# Altium PCB Mixed_Signal_Board_PCB.PcbDoc (part 2 of 4) (continued)
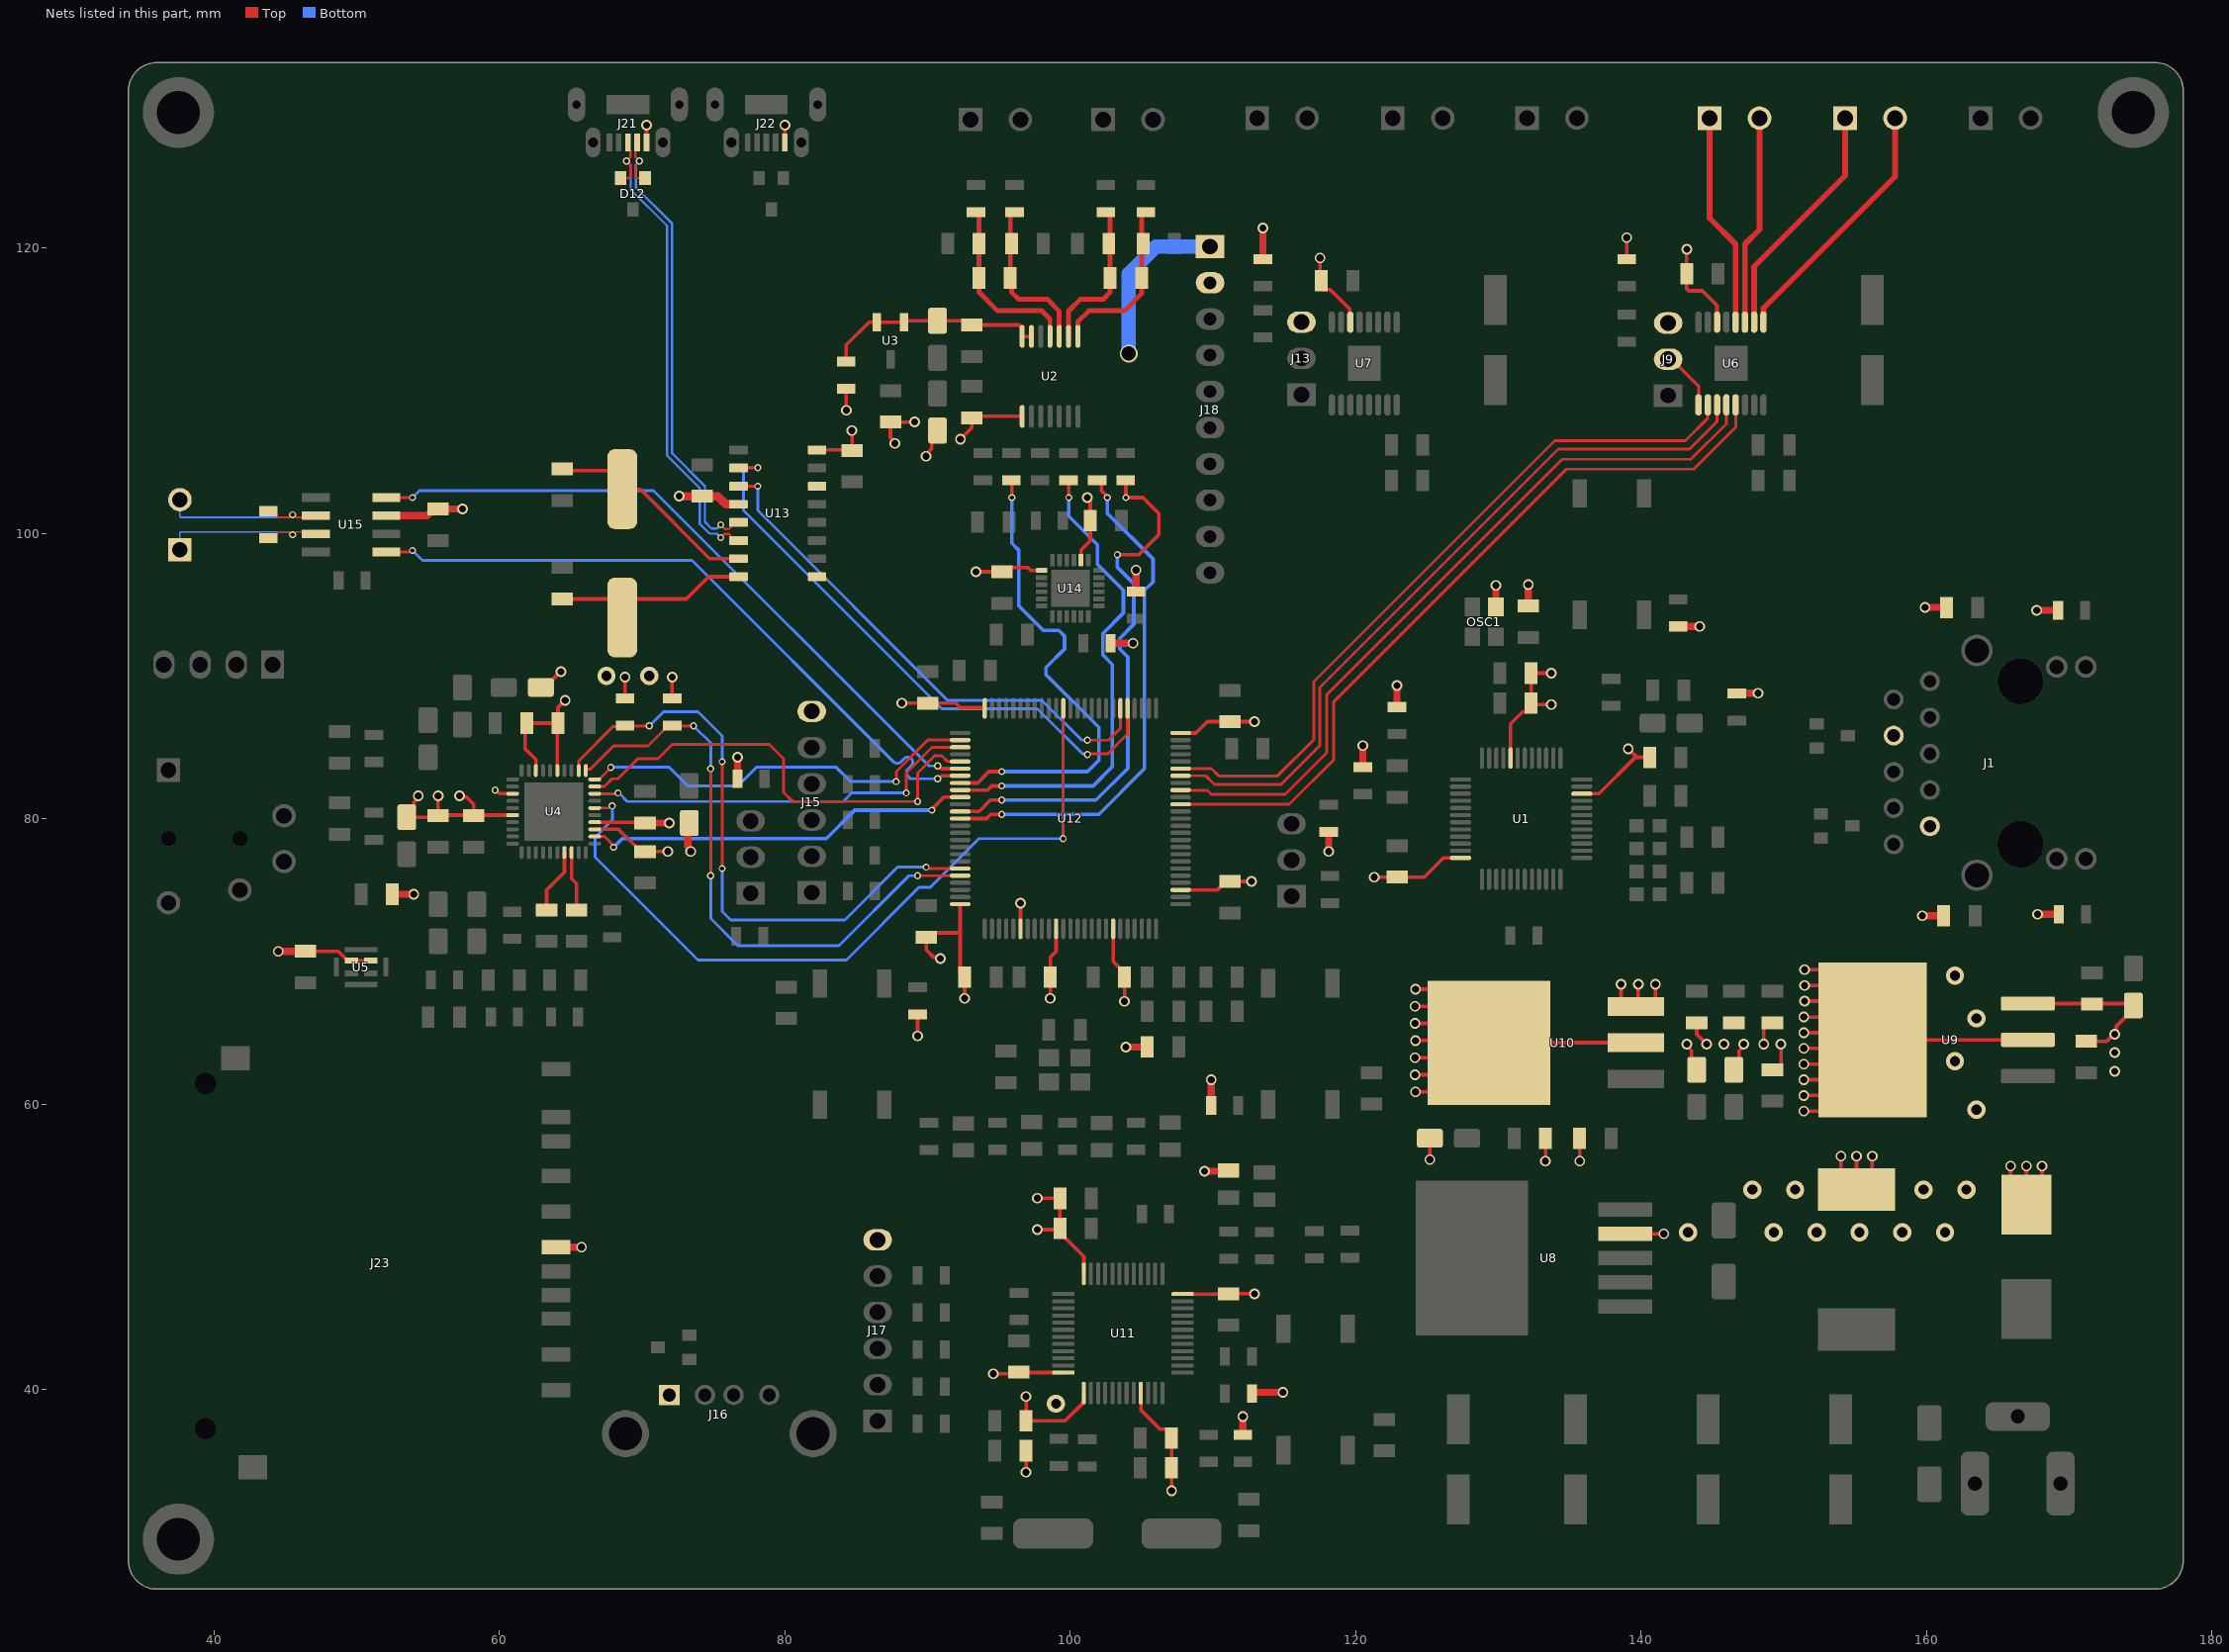
[diagram p4: the nets of this part, all layers, seen from the top]
## Part data (continued)
J15 J17: "PH Series 6 Position Through Hole Single Row Straight .100 Header", Manufacturer="Adam Equipment", Manufacturer Part Number=PH1-06-UA, Supplier Part Number 1=2057-PH1-06-UA-ND, Category=Connectors, ComponentLink1Description=http://www.adam-tech.com/catalog/2012/page_312-315.pdf?src-supplier=Future+Electronics, ComponentLink1URL=http://www.adam-tech.com/catalog/2012/page_312-315.pdf?src-supplier=Future+Electronics, Contact Plating=Gold, Lead Free="Lead Free", Mount="Through Hole", Number of Contacts=6, Number of Positions=6, Number of Rows=1, Packaging=Bag, Pitch=2.54mm, Pricing 1="1=0,13000, 10=0,10000, 100=0,07370, 500=0,06098, 1000=0,05336, 5000=0,04574, 10000=0,04447 (USD)", RoHS=Yes, Stock 1=1029, Supplier 1=Digi-Key
J16: "USB - A Receptacle Connector 4 Position Through Hole, Right Angle", Package=None, Supplier Part Number 1=ED2989-ND, Availability=Unavailable, MF="{'manufacturer': u'On Shore'}", MP=USB-A1HSW6, Price=None, Supplier 1=Digi-Key
J18: library part "CONN_1x10_2.54m_Female Header", "10 Position Single Row 2.54 mm Pitch Vertical Through Hole Socket Header", Color=Black, Manufacturer=Sullins, Manufacturer Part Number=PPTC101LFBN-RC, Package Quantity=1000, Supplier Part Number 1=S7008-ND, Category=Connectors, ComponentLink1Description=https://media.digikey.com/pdf/Data%20Sheets/Sullins%20PDFs/Female_Headers.100_DS.pdf?src-supplier=Digi-Key, ComponentLink1URL=https://media.digikey.com/pdf/Data%20Sheets/Sullins%20PDFs/Female_Headers.100_DS.pdf?src-supplier=Digi-Key, Connector Type=Header, Contact Material=Bronze, Contact Plating=Tin, Contact Type="Female Socket", Height=8.5mm, Housing Material=Plastic, Lead Free="Lead Free", Length=25.9mm, Mount="Through Hole", Number of Positions=10, Number of Rows=1, Packaging=Bulk, Pitch=0.1inch, Pricing 1="1=0,65000, 10=0,55100, 320=0,45000, 640=0,40500, 960=0,36000, 5120=0,32500 (USD)", RoHS=Yes, RoHS Compliant=Yes, Stock 1=16929, Supplier 1=Digi-Key, Termination=Solder, Width=2.5mm
J21 J22: library part "CONN_RCPT_USB2.0_MICRO B_SMD_R/A", "Conn Micro USB 2.0 Type B F 5 POS 0.65mm Solder RA SMD 5 Terminal 1 Port T/R", Manufacturer="CUI Devices", Manufacturer Part Number=UJ2-MIBH2-4-SMT-TR, Supplier Part Number 1=102-4007-1-ND, Category=Connectors, Pricing 1="1=0,87000, 10=0,73800, 25=0,70800, 50=0,69320, 100=0,66300, 250=0,60272, 500=0,54244 (USD)", RoHS=No, Stock 1=48589, Supplier 1=Digi-Key
J23: "Conn; IC Socket; SD Memory Card; Push/Push; SD Ser.", Package=None, Availability=Unavailable, MF="{'manufacturer': u'Amphenol ICC (Commercial Products)'}", MP=101003136802, Price=None
L1: "INDUCTOR POWER 33UH 12X12MM SMD", Current Rating=5A, DC Resistance (DCR)=65mR, Manufacturer="CORE MASTER", Manufacturer Part Number=SRI1207-330M, Tolerance=20%, Inductance=33uH
OSC1: library part XTAL_OSC_XO_50.0000MHZ_CMOS_SMD, "3.2 X 2.5 X 1.1Mm, 3.3V , 100Ppm -20+70C, Smd Ceramic Oscillator Rohs Compliant: Yes", Case/Package=SMD/SMT, Frequency=50MHz, Frequency Stability=100ppm, Load Capacitance=15pF, Manufacturer=Abracon, Max Operating Temperature=70°C, Max Supply Current=19mA, Min Operating Temperature=-20°C, Operating Supply Voltage=3.3V, Supplier Part Number 1=535-9996-1-ND, Category=Oscillators, ComponentLink1Description=https://datasheet.ciiva.com/865/aseseries-865948.pdf?src-supplier=Digi-Key, ComponentLink1URL=https://datasheet.ciiva.com/865/aseseries-865948.pdf?src-supplier=Digi-Key, ComponentLink2Description=https://datasheet.ciiva.com/865/aseseries-865947.pdf?src-supplier=Digi-Key, ComponentLink2URL=https://datasheet.ciiva.com/865/aseseries-865947.pdf?src-supplier=Digi-Key, ComponentLink3Description=https://datasheet.ciiva.com/865/aseseries-865949.pdf?src-supplier=Digi-Key, ComponentLink3URL=https://datasheet.ciiva.com/865/aseseries-865949.pdf?src-supplier=Digi-Key, ComponentLink4Description=https://datasheet.ciiva.com/3177/aseseries-3177741.pdf?src-supplier=Avnet, ComponentLink4URL=https://datasheet.ciiva.com/3177/aseseries-3177741.pdf?src-supplier=Avnet, ComponentLink5Description=https://datasheet.ciiva.com/16413/aseseries-16413061.pdf?src-supplier=Future+Electronics, ComponentLink5URL=https://datasheet.ciiva.com/16413/aseseries-16413061.pdf?src-supplier=Future+Electronics, Depth=2.5mm, Height=0.047inch, Lead Free="Lead Free", Length=3.2mm, Manufacturer Part Number=ASE-50.000MHZ-ET, Mount="Surface Mount", Number of Pins=4, Packaging="Tape and Reel", Pricing 1="1=1,38000, 10=1,32100, 50=1,29020, 100=1,10590, 500=1,07520 (USD)", Radiation Hardening=No, REACH SVHC="No SVHC", RoHS=Yes, Series=ASE, Stock 1=12937, Supplier 1=Digi-Key, Termination=SMD/SMT, Width=2.5mm
R1 R6 R7 R9 R12: "Res Thick Film 0805 2.2K Ohm 1% 1/8W ±100ppm/°C SMD Paper T/R", Case Code (Metric)=2012, Case Code (Imperial)=0805, Manufacturer=Yageo, Manufacturer Part Number=RC0805FR-132K2L, Max Operating Temperature=155°C, Min Operating Temperature=-55°C, Power Rating=125mW, Resistance=2.2kR, Resistor Type="Thick Film", Supplier Part Number 1=13-RC0805FR-132K2LCT-ND, Temperature Coefficient=100ppm/°C, Tolerance=1%, Voltage Rating=150V, Case/Package=0805, Category="Chip SMD Resistors", ComponentLink1Description=https://datasheet.ciiva.com/12575/rc0805-257173-12575737.pdf?src-supplier=Mouser, ComponentLink1URL=https://datasheet.ciiva.com/12575/rc0805-257173-12575737.pdf?src-supplier=Mouser, Contact Plating=Tin,Matte,Lead, Height=0.5mm, Length=2mm, Packaging="Tape and Reel", Pricing 1="1=0,10000, 10=0,04200, 100=0,01690, 1000=0,00759, 2500=0,00659, 5000=0,00544 (USD)", Radiation Hardening=No, RoHS=Yes, RoHS Compliant=Yes, Series=RC, Stock 1=72435, Supplier 1=Digi-Key, Termination=SMD/SMT, Width=1.25mm
R2 R3 R4 R5: "Res Thick Film 0603 49.9 Ohm 1% 1/10W ±100ppm/°C Molded SMD Paper T/R", Case/Package=Molded, Manufacturer=Vishay, Manufacturer Part Number=CRCW060349R9FKEAC, Max Operating Temperature=155°C, Min Operating Temperature=-55°C, Power Rating=100mW, Resistance=49.9R, Resistor Type="Thick Film", Supplier Part Number 1=541-3955-1-ND, Temperature Coefficient=100ppm/°C, Tolerance=1%, Category="Chip SMD Resistors", ComponentLink1Description=http://www.vishay.com/docs/28773/crcwce3.pdf?src-supplier=Digi-Key, ComponentLink1URL=http://www.vishay.com/docs/28773/crcwce3.pdf?src-supplier=Digi-Key, Contact Plating=Tin, Lead Free="Lead Free", Length=1.55mm, Mount="Surface Mount", Pricing 1="1=0,10000, 10=0,03600, 100=0,01450, 1000=0,00652, 2500=0,00566 (USD)", RoHS=Yes, RoHS Compliant=Yes, Stock 1=639478, Supplier 1=Digi-Key, Termination=Wraparound
R8 R10 R38 R39 R61 R62 R63 R64: "Res Thick Film 0805 330 Ohm 5% 0.125W(1/8W) ±100ppm/C Pad SMD Automotive T/R", Manufacturer="TE Connectivity", Manufacturer Part Number=CRGCQ0805J330R, Resistance=330R, Supplier Part Number 1=A130131CT-ND, Category="Chip SMD Resistors", ComponentLink1Description=https://www.te.com/commerce/DocumentDelivery/DDEController?Action=srchrtrv&amp;DocNm=1773204-3&amp;DocType=DS&amp;DocLang=English&src-supplier=Digi-Key, ComponentLink1URL=https://www.te.com/commerce/DocumentDelivery/DDEController?Action=srchrtrv&amp;DocNm=1773204-3&amp;DocType=DS&amp;DocLang=English&src-supplier=Digi-Key, Pricing 1="1=0,10000, 10=0,04400, 100=0,01780, 1000=0,00798, 2500=0,00693 (USD)", RoHS=Yes, Stock 1=75221, Supplier 1=Digi-Key
R11: "Res Thick Film 0805 4.87K Ohm 1% 1/8W ±100ppm/°C SMD Paper T/R", Case Code (Metric)=2012, Case Code (Imperial)=0805, Manufacturer=Yageo, Manufacturer Part Number=RC0805FR-074K87L, Max Operating Temperature=155°C, Max Power Dissipation=125mW, Min Operating Temperature=-55°C, Resistance=4.87kR, Resistor Type="Thick Film", Supplier Part Number 1=311-4.87KCRCT-ND, Temperature Coefficient=100ppm/°C, Tolerance=1%, Voltage Rating=150V, Case/Package=0805, Category="Chip SMD Resistors", ComponentLink1Description=https://datasheet.ciiva.com/12577/rc0805-12577484.pdf?src-supplier=Mouser, ComponentLink1URL=https://datasheet.ciiva.com/12577/rc0805-12577484.pdf?src-supplier=Mouser, Construction=Rectangular, Contact Plating=Tin,Matte,Lead, Depth=1.25mm, Features="Moisture Resistant", Height=0.5mm, Lead Free="Lead Free", Length=2mm, Military Standard=Not, Number of Terminations=2, Packaging="Tape and Reel", Power Rating=125mW, Pricing 1="1=0,10000, 10=0,04200, 100=0,01690, 1000=0,00759, 2500=0,00659 (USD)", Radiation Hardening=No, RoHS=Yes, RoHS Compliant=Yes, Series=RC, Size Code=0805, Stock 1=89972, Supplier 1=Digi-Key, Termination=SMD/SMT, Voltage Rating (DC)=150V, Weight=0.000194oz, Width=1.25mm
R13 R14 R21 R22: "Res Thick Film 0805 301 Ohm 1% 1/8W ±100ppm/°C Molded SMD SMD Paper T/R", Case/Package=0805, Manufacturer=Yageo, Manufacturer Part Number=RC0805FR-10301RL, Max Operating Temperature=155°C, Min Operating Temperature=-55°C, Resistance=301R, Resistor Type="Thick Film", Supplier Part Number 1=13-RC0805FR-10301RLCT-ND, Temperature Coefficient=100ppm/°C, Tolerance=1%, Category="Chip SMD Resistors", ComponentLink1Description=http://www.yageo.com/documents/recent/PYu-RC_Group_51_RoHS_L_2.pdf?src-supplier=Avnet, ComponentLink1URL=http://www.yageo.com/documents/recent/PYu-RC_Group_51_RoHS_L_2.pdf?src-supplier=Avnet, Contact Plating=Tin,Matte, Pricing 1="1=0,10000, 10=0,04200, 100=0,01690, 1000=0,00759, 2500=0,00659, 5000=0,00544 (USD)", Radiation Hardening=No, RoHS=Yes, RoHS Compliant=Yes, Stock 1=17300, Supplier 1=Digi-Key
R15 R16 R17 R18 R19 R20 R28 R31 R56: "贴片电阻 100Ω ± 1.00% 0.125W ± 100ppm/℃ 0805", Case Code (Metric)=2012, Case Code (Imperial)=0805, Manufacturer=Yageo, Manufacturer Part Number=RC0805FR-07100RL, Max Operating Temperature=155°C, Max Power Dissipation=125mW, Min Operating Temperature=-55°C, Package Quantity=5000, Resistance=100R, Resistor Type="Thick Film", Supplier Part Number 1=311-100CRCT-ND, Temperature Coefficient=100ppm/°C, Tolerance=1%, Voltage Rating=150V, Application(s)="HIGH RELIABILITY", Case/Package=0805, Category="Chip SMD Resistors", ComponentLink1Description=https://datasheet.ciiva.com/11808/0900766b8106beab-11808877.pdf?src-supplier=RSComponents, ComponentLink1URL=https://datasheet.ciiva.com/11808/0900766b8106beab-11808877.pdf?src-supplier=RSComponents, ComponentLink2Description=https://datasheet.ciiva.com/7941/1697719-7941680.pdf?src-supplier=Element14, ComponentLink2URL=https://datasheet.ciiva.com/7941/1697719-7941680.pdf?src-supplier=Element14, ComponentLink3Description=https://datasheet.ciiva.com/7660/38627-7660797.pdf?src-supplier=Element14, ComponentLink3URL=https://datasheet.ciiva.com/7660/38627-7660797.pdf?src-supplier=Element14, ComponentLink4Description=https://datasheet.ciiva.com/2456/pyu-r-int-thick-7-2456987.pdf?src-supplier=Digi-Key, ComponentLink4URL=https://datasheet.ciiva.com/2456/pyu-r-int-thick-7-2456987.pdf?src-supplier=Digi-Key, Depth=1.25mm, Features="Moisture Resistant", Height=0.5mm, Lead Free="Lead Free", Lead Pitch=0.4mm, Length=2mm, Military Standard=Not, Number of Pins=2, Number of Terminations=2, Packaging="Cut Tape", Power Rating=125mW, Pricing 1="1=0,10000, 10=0,04200, 100=0,01690, 1000=0,00759, 2500=0,00659 (USD)", REACH SVHC=Unknown, RoHS=Yes, RoHS Compliant=Yes, Series=RC, Stock 1=3418646, Supplier 1=Digi-Key, Technology="THICK FILM", Termination=SMD/SMT, Type="General Purpose", Voltage Rating (DC)=150V, Weight=0.000917oz, Width=1.25mm
R23: "贴片电阻 1000Ω ± 1.00% 0.125W ± 100ppm/℃ 0805", Case Code (Metric)=2012, Case Code (Imperial)=0805, Manufacturer=Yageo, Manufacturer Part Number=RC0805FR-071KL, Max Operating Temperature=155°C, Max Power Dissipation=125mW, Min Operating Temperature=-55°C, Package Quantity=1, Resistance=1kR, Resistance Tolerance=1%, Resistor Type="Thick Film", Supplier Part Number 1=311-1.00KCRCT-ND, Temperature Coefficient=100ppm/°C, Voltage Rating=150V, Case/Package=0805, Category="Chip SMD Resistors", Construction=Rectangular, Depth=1.25mm, Features="Moisture Resistant", Height=0.024inch, Lead Free="Lead Free", Length=0.079inch, Military Standard=Not, Number of Pins=2, Number of Terminations=2, Packaging="Tape and Reel", Power Rating=125mW, Pricing 1="1=0,10000, 10=0,04200, 100=0,01690, 1000=0,00759, 2500=0,00659 (USD)", REACH SVHC=Unknown, RoHS=Yes, RoHS Compliant=Yes, Series=RC, Size Code=0805, Stock 1=11155441, Supplier 1=Digi-Key, Termination=SMD/SMT, Tolerance=1%, Voltage Rating (DC)=150V, Width=0.049inch
R24 R25: "贴片电阻 51.1Ω ± 1.00% 0.125W ± 100ppm/℃ 0805", Case Code (Metric)=2012, Case Code (Imperial)=0805, Manufacturer=Yageo, Manufacturer Part Number=RC0805FR-0751R1L, Max Operating Temperature=155°C, Max Power Dissipation=125mW, Min Operating Temperature=-55°C, Package Quantity=5000, Resistance=51.1R, Resistor Type="Thick Film", Supplier Part Number 1=311-51.1CRCT-ND, Temperature Coefficient=100ppm/°C, Tolerance=1%, Voltage Rating=150V, Case/Package=0805, Category="Chip SMD Resistors", ComponentLink1Description=https://datasheet.ciiva.com/12558/rc0805-257173-12558456.pdf?src-supplier=Mouser, ComponentLink1URL=https://datasheet.ciiva.com/12558/rc0805-257173-12558456.pdf?src-supplier=Mouser, ComponentLink2Description=https://datasheet.ciiva.com/16740/rc0805-16740910.pdf?src-supplier=Future+Electronics, ComponentLink2URL=https://datasheet.ciiva.com/16740/rc0805-16740910.pdf?src-supplier=Future+Electronics, Construction=Rectangular, Depth=1.25mm, Features="Moisture Resistant", Height=0.5mm, Lead Free="Lead Free", Length=2mm, Military Standard=Not, Number of Terminations=2, Packaging="Tape and Reel", Power Rating=125mW, Pricing 1="1=0,10000, 10=0,04200, 100=0,01690, 1000=0,00759, 2500=0,00659 (USD)", RoHS=Yes, RoHS Compliant=Yes, Series=RC, Stock 1=4296, Supplier 1=Digi-Key, Technology="THICK FILM", Termination=SMD/SMT, Voltage Rating (DC)=150V, Width=1.25mm, Working Voltage=150V
R26 R27 R69 R70: "Res Thick Film 0805 2K Ohm 1% 0.125W(1/8W) ±100ppm/C Pad SMD Automotive T/R", Case Code (Metric)=2012, Case Code (Imperial)=0805, Manufacturer=Yageo, Manufacturer Part Number=AC0805FR-072KL, Max Operating Temperature=155°C, Max Power Dissipation=125mW, Min Operating Temperature=-55°C, Resistance=2kR, Resistor Type="Thick Film", Supplier Part Number 1=YAG3718CT-ND, Temperature Coefficient=100ppm/°C, Tolerance=1%, Voltage Rating=150V, Case/Package=0805, Category="Chip SMD Resistors", ComponentLink1Description=https://datasheet.ciiva.com/12576/pyu-ac-51-rohs-l-2-12576581.pdf?src-supplier=Mouser, ComponentLink1URL=https://datasheet.ciiva.com/12576/pyu-ac-51-rohs-l-2-12576581.pdf?src-supplier=Mouser, Features="Moisture Resistant,Automotive AEC-Q200", Height=0.024inch, Length=0.079inch, Number of Terminations=2, Packaging="Tape and Reel", Power Rating=125mW, Pricing 1="1=0,10000, 10=0,05000, 100=0,02040, 1000=0,00917, 2500=0,00796 (USD)", RoHS=Yes, RoHS Compliant=Yes, Series=AC, Stock 1=98521, Supplier 1=Digi-Key, Termination=SMD/SMT, Weight=0.000194oz, Width=1.25mm
R29 R30: library part "RES_100K OHM_1%_0805_1/8W", "CRCW Thick Film Commodity Chip Resistor 0805 Size 100K Ohm 1% 0.125 W 100 ppm/K 2-Pin SMD Paper T/R", Case/Package=0805, Manufacturer=Vishay, Manufacturer Part Number=CRCW0805100KFKEBC, Max Operating Temperature=155°C, Max Power Dissipation=125mW, Min Operating Temperature=-55°C, Resistor Type="Thick Film", Supplier Part Number 1=541-CRCW0805100KFKEBCCT-ND, Temperature Coefficient=100ppm/°C, Tolerance=1%, Category="Chip SMD Resistors", ComponentLink1Description=http://www.vishay.com/docs/28773/crcwce3.pdf?src-supplier=Digi-Key, ComponentLink1URL=http://www.vishay.com/docs/28773/crcwce3.pdf?src-supplier=Digi-Key, Number of Terminations=2, Packaging="Tape and Reel", Pricing 1="1=0,10000, 10=0,06300, 100=0,02540, 1000=0,01143, 2500=0,00992, 5000=0,00819 (USD)", Resistance=100kR, RoHS=Yes, RoHS Compliant=Yes, Stock 1=46130, Supplier 1=Digi-Key
R32: library part "RES_1.2K OHM_1%_0805_1/8W", "Res Thick Film 0805 1.2K Ohm 1% 1/8W ±100ppm/°C Molded SMD Paper T/R", Case/Package=Molded, Manufacturer="Vishay Semiconductors", Manufacturer Part Number=CRCW08051K20FKEAC, Max Operating Temperature=155°C, Min Operating Temperature=-55°C, Power Rating=125mW, Resistor Type="Thick Film", Supplier Part Number 1=541-CRCW08051K20FKEACCT-ND, Temperature Coefficient=100ppm/°C, Tolerance=1%, Category="Chip SMD Resistors", Contact Plating=Tin, Lead Free="Lead Free", Length=2mm, Mount="Surface Mount", Pricing 1="1=0,10000, 10=0,06300, 100=0,02540, 1000=0,01143, 2500=0,00992 (USD)", Resistance=1.2kR, RoHS=Yes, RoHS Compliant=Yes, Stock 1=750, Supplier 1=Digi-Key, Termination=Wraparound
R33 R34 R35 R36 R43 R49 R50 R51 R52 R59 R60 R65 R66 R67 R68 R71 R73: library part "RES_10K OHM_%1_0805_1/8W", "Res SMD 0805 10K 1% 0.125W T.C.100PPM", Capacitance=100nF, Case Code (Metric)=2012, Case Code (Imperial)=0805, Dielectric=X7R, Dielectric Material=Ceramic, Manufacturer=TDK, Manufacturer Part Number=C2012X7R1H104K085AA, Max Operating Temperature=125°C, Max Power Dissipation=125mW, Min Operating Temperature=-55°C, Package Quantity=1, Resistance=10kR, Resistance Tolerance=1%, Supplier Part Number 1=445-7534-1-ND, Temperature Coefficient=100ppm/°C, Tolerance=10%, Voltage=50V, Case/Package=0805, Category="Ceramic Capacitors", ComponentLink1Description=https://datasheet.ciiva.com/11788/0900766b80c1bb00-11788128.pdf?src-supplier=RSComponents, ComponentLink1URL=https://datasheet.ciiva.com/11788/0900766b80c1bb00-11788128.pdf?src-supplier=RSComponents, ComponentLink2Description=https://datasheet.ciiva.com/6250/tdkmlcccaprange-6250821.pdf?src-supplier=Digi-Key, ComponentLink2URL=https://datasheet.ciiva.com/6250/tdkmlcccaprange-6250821.pdf?src-supplier=Digi-Key, ComponentLink3Description=https://datasheet.ciiva.com/24191/e412-c-24191447.pdf?src-supplier=Future+Electronics, ComponentLink3URL=https://datasheet.ciiva.com/24191/e412-c-24191447.pdf?src-supplier=Future+Electronics, ComponentLink4Description=https://datasheet.ciiva.com/6250/tdkmlcccaprange-6250824.pdf?src-supplier=Digi-Key, ComponentLink4URL=https://datasheet.ciiva.com/6250/tdkmlcccaprange-6250824.pdf?src-supplier=Digi-Key, ComponentLink5Description=https://datasheet.ciiva.com/23803/1796654-23803035.pdf?src-supplier=Newark, ComponentLink5URL=https://datasheet.ciiva.com/23803/1796654-23803035.pdf?src-supplier=Newark, ComponentLink6Description=https://datasheet.ciiva.com/28602/1571323-28602204.pdf?src-supplier=Element14, ComponentLink6URL=https://datasheet.ciiva.com/28602/1571323-28602204.pdf?src-supplier=Element14, Construction=Flat, Depth=1.25mm, Features="Moisture Resistant", Height=0.85mm, Lead Free="Lead Free", Length=2mm, Military Standard=Not, Mount="Surface Mount", Number of Pins=2, Number of Terminations=2, Packaging="Tape and Reel", Power Rating=125mW, Pricing 1="1=0,15000, 10=0,10900, 50=0,06160, 100=0,05100, 500=0,03578, 1000=0,02962 (USD)", Pricing 2="1=0,10000, 10=0,04200, 100=0,01690, 1000=0,00759, 2500=0,00659 (USD)", Radiation Hardening=No, REACH SVHC="No SVHC", Resistor Type=Ceramic, RoHS=Yes, RoHS Compliant=Yes, Series=C, Size Code=0805, Stock 1=54853, Stock 2=3512962, Supplier 1=Digi-Key, Supplier 2=Digi-Key, Supplier Part Number 2=311-10.0KCRCT-ND, Technology="THICK FILM", Termination=SMD/SMT, Thickness=0.037inch, Voltage Rating=50V, Voltage Rating (DC)=50V, Weight=0.000194oz, Width=0.049inch
R37 R41: "Res Thick Film 0805 4.7K Ohm 5% 1/8W ±200ppm/°C Molded SMD Paper T/R", Case/Package=0805, Manufacturer=Vishay, Manufacturer Part Number=CRCW08054K70JNEAC, Power Rating=125mW, Resistance=4.7kR, Supplier Part Number 1=541-4165-1-ND, Tolerance=5%, Category="Chip SMD Resistors", ComponentLink1Description=http://www.vishay.com/docs/28773/crcwce3.pdf?src-supplier=Digi-Key, ComponentLink1URL=http://www.vishay.com/docs/28773/crcwce3.pdf?src-supplier=Digi-Key, ComponentLink2Description=https://www.vishay.com/docs/28773/crcwce3.pdf?src-supplier=Digi-Key, ComponentLink2URL=https://www.vishay.com/docs/28773/crcwce3.pdf?src-supplier=Digi-Key, Lead Free="Lead Free", Pricing 1="1=0,10000, 10=0,04000, 100=0,01630, 1000=0,00731, 2500=0,00635 (USD)", RoHS=Yes, RoHS Compliant=Yes, Stock 1=36142, Supplier 1=Digi-Key
R40 R42: "贴片电阻 0Ω ±5% 1/8W 0805", Case Code (Metric)=2012, Case Code (Imperial)=0805, Manufacturer=Yageo, Manufacturer Part Number=RC0805JR-070RL, Max Operating Temperature=155°C, Max Power Dissipation=125mW, Min Operating Temperature=-55°C, Resistance=0mR, Resistance Tolerance=5%, Resistor Type="Thick Film", Supplier Part Number 1=311-0.0ARCT-ND, Temperature Coefficient=200ppm/°C, Voltage Rating=150V, Case/Package=0805, Category="Chip SMD Resistors", ComponentLink1Description=https://datasheet.ciiva.com/11819/0900766b8106beab-11819430.pdf?src-supplier=RSComponents, ComponentLink1URL=https://datasheet.ciiva.com/11819/0900766b8106beab-11819430.pdf?src-supplier=RSComponents, ComponentLink2Description=https://datasheet.ciiva.com/7941/1738694-7941861.pdf?src-supplier=Element14, ComponentLink2URL=https://datasheet.ciiva.com/7941/1738694-7941861.pdf?src-supplier=Element14, ComponentLink3Description=https://datasheet.ciiva.com/7941/1738694-7941862.pdf?src-supplier=Element14, ComponentLink3URL=https://datasheet.ciiva.com/7941/1738694-7941862.pdf?src-supplier=Element14, ComponentLink4Description=https://datasheet.ciiva.com/7941/1738694-7941863.pdf?src-supplier=Element14, ComponentLink4URL=https://datasheet.ciiva.com/7941/1738694-7941863.pdf?src-supplier=Element14, ComponentLink5Description=https://datasheet.ciiva.com/15190/getdatasheetpartid-330685-15190028.pdf?src-supplier=Verical, ComponentLink5URL=https://datasheet.ciiva.com/15190/getdatasheetpartid-330685-15190028.pdf?src-supplier=Verical, Construction=Rectangular, Contact Plating=Tin,Matte, Depth=1.25mm, Features="Moisture Resistant", Height=0.5mm, Lead Free="Lead Free", Length=2mm, Military Standard=Not, Number of Pins=2, Number of Terminations=2, Packaging="Tape and Reel", Power Rating=125mW, Pricing 1="1=0,10000, 10=0,03100, 25=0,02240, 50=0,01720, 100=0,01260, 250=0,00964, 500=0,00770, 1000=0,00567 (USD)", Radiation Hardening=No, REACH SVHC=Unknown, RoHS=Yes, RoHS Compliant=Yes, Series=RC, Size Code=0805, Stock 1=2083007, Supplier 1=Digi-Key, Technology="THICK FILM", Termination=SMD/SMT, Tolerance=5%, Voltage Rating (DC)=150V, Width=1.25mm
R44 R45 R46 R47 R48 R53 R54 R55 R57 R58: "Res Thick Film 0805 22 Ohm 1% 0.125W(1/8W) ±100ppm/C Pad SMD T/R", Case Code (Metric)=2012, Case Code (Imperial)=0805, Manufacturer="Vishay Dale", Manufacturer Part Number=CRCW080522R0FKEAC, Max Operating Temperature=155°C, Max Power Dissipation=125mW, Min Operating Temperature=-55°C, Resistance=22R, Resistor Type="Thick Film", Supplier Part Number 1=541-4151-1-ND, Temperature Coefficient=100ppm/°C, Tolerance=1%, Case/Package=0805, ComponentLink1Description=http://www.vishay.com/docs/28773/crcwce3.pdf?src-supplier=Digi-Key, ComponentLink1URL=http://www.vishay.com/docs/28773/crcwce3.pdf?src-supplier=Digi-Key, Number of Terminations=2, Packaging="Tape and Reel", Pricing 1="1=0,10000, 10=0,06300, 100=0,02540, 1000=0,01143, 2500=0,00992 (USD)", RoHS=Yes, RoHS Compliant=Yes, Stock 1=199510, Supplier 1=Digi-Key
R72: library part "RES_120 OHM_1%_0805_1/8W", "Res Thick Film 0805 120 Ohm 1% 0.125W(1/8W) ±100ppm/C Pad SMD T/R", Case/Package=0805, Manufacturer=Vishay, Manufacturer Part Number=CRCW0805120RFKEAC, Max Operating Temperature=155°C, Max Power Dissipation=125mW, Min Operating Temperature=-55°C, Resistor Type="Thick Film", Supplier Part Number 1=541-CRCW0805120RFKEACCT-ND, Temperature Coefficient=100ppm/°C, Tolerance=1%, Category="Chip SMD Resistors", ComponentLink1Description=http://www.vishay.com/docs/28773/crcwce3.pdf?src-supplier=Digi-Key, ComponentLink1URL=http://www.vishay.com/docs/28773/crcwce3.pdf?src-supplier=Digi-Key, Number of Terminations=2, Packaging="Tape and Reel", Pricing 1="1=0,10000, 10=0,06300, 100=0,02540, 1000=0,01143, 2500=0,00992 (USD)", Resistance=120R, RoHS Compliant=Yes, Stock 1=86753, Supplier 1=Digi-Key
SW1 SW2 SW3 SW4: "Switch Tactile N.O. SPST Round Button Gull Wing 0.05A 12VDC 100000Cycles 1.27N SMD T/R", Color=Black, Contact Resistance=100mR, Current Rating=50mA, Manufacturer="ITT C&K", Manufacturer Part Number=PTS645SL43SMTR92LFS, Max Operating Temperature=60°C, Max Voltage Rating (DC)=12V, Min Operating Temperature=-20°C, Operating Force=1.27N, Package Quantity=1000, Supplier Part Number 1=CKN10880CT-ND, Actuator Length=0.85mm, Actuator Material=Nylon,Polyamide,PA66, Actuator Type=Standard, Category="Tactile Switches", ComponentLink1Description=https://datasheet.ciiva.com/26927/getdatasheetpartid-774114-26927132.pdf?src-supplier=Verical, ComponentLink1URL=https://datasheet.ciiva.com/26927/getdatasheetpartid-774114-26927132.pdf?src-supplier=Verical, Contact Material=Bronze,Brass,Silver, Contact Plating=Silver, Depth=9mm, Lead Free="Lead Free", Length=6mm, Max Current Rating=50mA, Mechanical Life=100000Cycles, Mount="Surface Mount", Orientation=Straight, Packaging="Tape and Reel", Pricing 1="1=0,15000, 10=0,14900, 25=0,14160, 100=0,12870, 250=0,12104, 500=0,11072 (USD)", RoHS=Yes, RoHS Compliant=Yes, Series=PTS645, Size=6mm, Stock 1=52166, Supplier 1=Digi-Key, Switch Function=Off-Mom, Termination="Gull Wing", Throw Configuration=SPST, Voltage Rating (DC)=12V, Illumination Type=Non-Illuminated
U1: library part IC_PHY_DP83848I, "1/1 Transceiver  Ethernet 48-LQFP (7x7)", Case/Package=LQFP, Manufacturer="TI National Semiconductor", Max Operating Temperature=85°C, Max Power Dissipation=267mW, Max Supply Current=92mA, Max Supply Voltage=3.6V, Min Operating Temperature=-40°C, Min Supply Voltage=3V, Operating Supply Voltage=3.3V, Package Quantity=1000, Supplier Part Number 1=DP83848IVVX/NOPBCT-ND, Cable Length=150m, Category="Interface ICs", ComponentLink1Description=https://datasheet.ciiva.com/34302/1446303-34302318.pdf?src-supplier=Jameco, ComponentLink1URL=https://datasheet.ciiva.com/34302/1446303-34302318.pdf?src-supplier=Jameco, ComponentLink2Description=https://datasheet.ciiva.com/6635/dp83848i-6635680.pdf?src-supplier=Digi-Key, ComponentLink2URL=https://datasheet.ciiva.com/6635/dp83848i-6635680.pdf?src-supplier=Digi-Key, ComponentLink3Description=https://datasheet.ciiva.com/6635/dp83848i-6635679.pdf?src-supplier=Digi-Key, ComponentLink3URL=https://datasheet.ciiva.com/6635/dp83848i-6635679.pdf?src-supplier=Digi-Key, Data Rate=100Mbps, Lead Free="Lead Free", Manufacturer Part Number=DP83848IVVX/NOPB, Mount="Surface Mount", Nominal Supply Current=92mA, Number of Channels=1, Number of Pins=48, Number of Transceivers=1, Packaging="Tape and Reel", Pricing 1="1=5,98000, 10=5,37400, 25=5,08000, 100=4,40270, 250=4,17692, 500=3,74794 (USD)", Radiation Hardening=No, REACH SVHC="No SVHC", RoHS=Yes, RoHS Compliant=Yes, Series=-, Supplier 1=Digi-Key, Supply Current=92mA, Weight=0.006409oz
U2: library part IC_ADS1222IPWR, "24 Bit Analog to Digital Converter 2 Input 1 Sigma-Delta 14-TSSOP", Case/Package=TSSOP, Manufacturer="Texas Instruments", Max Operating Temperature=85°C, Max Power Dissipation=2.25mW, Max Supply Voltage=5.5V, Min Operating Temperature=-40°C, Min Supply Voltage=2.7V, Nominal Supply Current=425uA, Operating Supply Voltage=5V, Package Quantity=2000, Power Consumption=1.35mW, Power Dissipation=1.5mW, Supplier Part Number 1=296-48476-1-ND, Category="Analog to Digital Converters (ADCs)", ComponentLink1Description=https://datasheet.ciiva.com/4777/sbas314b-94224-4777160.pdf?src-supplier=Mouser, ComponentLink1URL=https://datasheet.ciiva.com/4777/sbas314b-94224-4777160.pdf?src-supplier=Mouser, ComponentLink2Description=https://datasheet.ciiva.com/14260/ads1222-14260209.pdf?src-supplier=Avnet, ComponentLink2URL=https://datasheet.ciiva.com/14260/ads1222-14260209.pdf?src-supplier=Avnet, ComponentLink3Description=https://datasheet.ciiva.com/1304/ads1222-1304984.pdf?src-supplier=Digi-Key, ComponentLink3URL=https://datasheet.ciiva.com/1304/ads1222-1304984.pdf?src-supplier=Digi-Key, Contact Plating=Gold, Conversion Rate=0.24KS/s, Differential Nonlinearity=1LSB, Lead Free="Lead Free", Manufacturer Part Number=ADS1222IPWR, Max Supply Voltage (DC)=5.5V, Min Supply Voltage (DC)=2.7V, Number of A/D Converters=1, Number of Analog Inputs=2, Number of Bits=24, Number of Channels=2, Number of Converters=1, Number of Elements=1, Number of Pins=14, Number of Inputs=2, Packaging="Tape and Reel", Polarity=Bipolar, Pricing 1="1=10,41000, 10=9,40100, 25=8,96360, 100=7,78300, 250=7,43324, 500=7,21876 (USD)", Resolution=24b, RoHS=Yes, RoHS Compliant=Yes, Sampling Rate=240S/s, Stock 1=1473, Supplier 1=Digi-Key, Supply Type=Analog,Digital, Input Type=DIFFERENTIAL, Interface=SPI
U3: "V-Ref Adjustable 2.495V to 36V 100mA 3-Pin SOT-23 T/R", Case/Package=SOT-23-3, Cathode Current=1mA, Manufacturer=STMicroelectronics, Manufacturer Part Number=TL431CL3T, Max Operating Temperature=70°C, Max Output Current=100mA, Max Output Voltage=36V, Max Input Voltage=37V, Min Operating Temperature=0°C, Min Output Voltage=2.495V, Package Quantity=3000, Supplier Part Number 1=497-11297-1-ND, Tolerance=2.21%, Category="Voltage References", ComponentLink1Description=https://datasheet.ciiva.com/41424/001184463-da-01-en-ic-vref-shunt-pre-tl431cl3t-sot-23-3-stm-41424441.pdf?src-supplier=Conrad, ComponentLink1URL=https://datasheet.ciiva.com/41424/001184463-da-01-en-ic-vref-shunt-pre-tl431cl3t-sot-23-3-stm-41424441.pdf?src-supplier=Conrad, ComponentLink2Description=https://datasheet.ciiva.com/2006/cd00000986-2006196.pdf?src-supplier=Digi-Key, ComponentLink2URL=https://datasheet.ciiva.com/2006/cd00000986-2006196.pdf?src-supplier=Digi-Key, ComponentLink3Description=https://datasheet.ciiva.com/2006/cd00000986-2006197.pdf?src-supplier=Digi-Key, ComponentLink3URL=https://datasheet.ciiva.com/2006/cd00000986-2006197.pdf?src-supplier=Digi-Key, ComponentLink4Description=https://datasheet.ciiva.com/2006/cd00000986-2006198.pdf?src-supplier=Digi-Key, ComponentLink4URL=https://datasheet.ciiva.com/2006/cd00000986-2006198.pdf?src-supplier=Digi-Key, ComponentLink5Description=https://datasheet.ciiva.com/16501/cd00000986-16501308.pdf?src-supplier=Future+Electronics, ComponentLink5URL=https://datasheet.ciiva.com/16501/cd00000986-16501308.pdf?src-supplier=Future+Electronics, Lead Free="Lead Free", Mount="Surface Mount", Number of Channels=1, Number of Pins=3, Output Current=100mA, Output Type=Adjustable, Output Voltage=36V, Packaging="Tape and Reel", Pricing 1="1=0,48000, 10=0,41200, 25=0,38440, 100=0,30750, 250=0,28552, 500=0,24160, 1000=0,18669 (USD)", Radiation Hardening=No, Reference Type=Shunt,Adjustable, Reference Voltage=2.495V, RoHS=Yes, RoHS Compliant=Yes, Series=-, Stock 1=5995, Supplier 1=Digi-Key
U4: "DAC 1-CH Delta-Sigma 24-bit 40-Pin QFN EP Rail", Case/Package=QFN, Manufacturer="Cirrus Logic", Manufacturer Part Number=CS43L22-CNZ, Max Operating Temperature=85°C, Max Supply Voltage=2.63V, Min Operating Temperature=-40°C, Min Supply Voltage=1.65V, Operating Supply Voltage=2.5V, Package Quantity=50, Supplier Part Number 1=598-1650-ND, Category="Digital to Analog Converters (DACs)", ComponentLink1Description=https://datasheet.ciiva.com/1494/91818-1494314.pdf?src-supplier=Element14, ComponentLink1URL=https://datasheet.ciiva.com/1494/91818-1494314.pdf?src-supplier=Element14, ComponentLink2Description=https://datasheet.ciiva.com/26802/cs43l22-cnz-26802243.pdf?src-supplier=IIIC, ComponentLink2URL=https://datasheet.ciiva.com/26802/cs43l22-cnz-26802243.pdf?src-supplier=IIIC, ComponentLink3Description=https://datasheet.ciiva.com/6665/cs43l22-f2-6665692.pdf?src-supplier=Digi-Key, ComponentLink3URL=https://datasheet.ciiva.com/6665/cs43l22-f2-6665692.pdf?src-supplier=Digi-Key, ComponentLink4Description=https://datasheet.ciiva.com/3040/cs43l22-f2-3040429.pdf?src-supplier=Avnet, ComponentLink4URL=https://datasheet.ciiva.com/3040/cs43l22-f2-3040429.pdf?src-supplier=Avnet, ComponentLink5Description=https://datasheet.ciiva.com/16606/cs43l22-f2-16606863.pdf?src-supplier=Avnet+Europe, ComponentLink5URL=https://datasheet.ciiva.com/16606/cs43l22-f2-16606863.pdf?src-supplier=Avnet+Europe, Contact Plating=Tin,Matte, Conversion Rate=96KS/s, Height=0.95mm, Length=6mm, Mount="Surface Mount", Number of Bits=24, Number of Channels=1, Number of Converters=1, Number of DAC Channels=1, Number of Pins=40, Output Polarity=Bipolar, Output Type=Voltage, Packaging=Tray, Polarity=Bipolar, Pricing 1="1=6,46000, 10=5,83400, 25=5,56280, 100=4,83020, 250=4,61312, 500=4,20608, 1000=3,84000 (USD)", Resolution=24b, RoHS=Yes, RoHS Compliant=Yes, Sampling Rate=96000S/s, Series=-, Supplier 1=Digi-Key, Supply Type=Analog,Digital, Width=6mm, Interface=I2C,Serial
U5: library part MIC_IMP34DT05TR, "IMP34DT05: 3.6V MEMS Audio Sensor Omnidirectional Digital Microphone - HCLGA-4LD", Manufacturer=STMicroelectronics, Operating Supply Current=650uA, Supplier Part Number 1=497-18183-1-ND, Voltage Rating=1.8V, Category=Microphones, ComponentLink1Description=https://www.st.com/resource/en/datasheet/imp34dt05.pdf?src-supplier=Digi-Key, ComponentLink1URL=https://www.st.com/resource/en/datasheet/imp34dt05.pdf?src-supplier=Digi-Key, Direction=Omnidirectional, Manufacturer Part Number=IMP34DT05TR, Output Type=Digital, Packaging="Tape and Reel", Pricing 1="1=2,62000, 10=2,35700, 25=2,22320, 100=1,89430, 500=1,55636, 1000=1,48225 (USD)", RoHS=Yes, RoHS Compliant=Yes, Shape=Rectangular, Stock 1=3742, Supplier 1=Digi-Key, Termination=Solder
U6 U7: library part "IC_MOTOR DRIVER_DRV8428PPWPR", "35V, 1A bipolar stepper or dual brushed motor driver with integrated current sensing 16-HTSSOP -40 to 125", Manufacturer="Texas Instruments", Supplier Part Number 1=296-DRV8428PPWPRCT-ND, Category="Integrated Circuits (ICs)", Manufacturer Part Number=DRV8428PPWPR, Pricing 1="1=3,15000, 10=2,83100, 25=2,67600, 100=2,31920, 250=2,20024, 500=1,97428, 1000=1,96350 (USD)", RoHS=Yes, RoHS Compliant=Yes, Stock 1=2129, Supplier 1=Digi-Key